# Altium PCB oxo.pcbdoc (part 1 of 3) (continued)
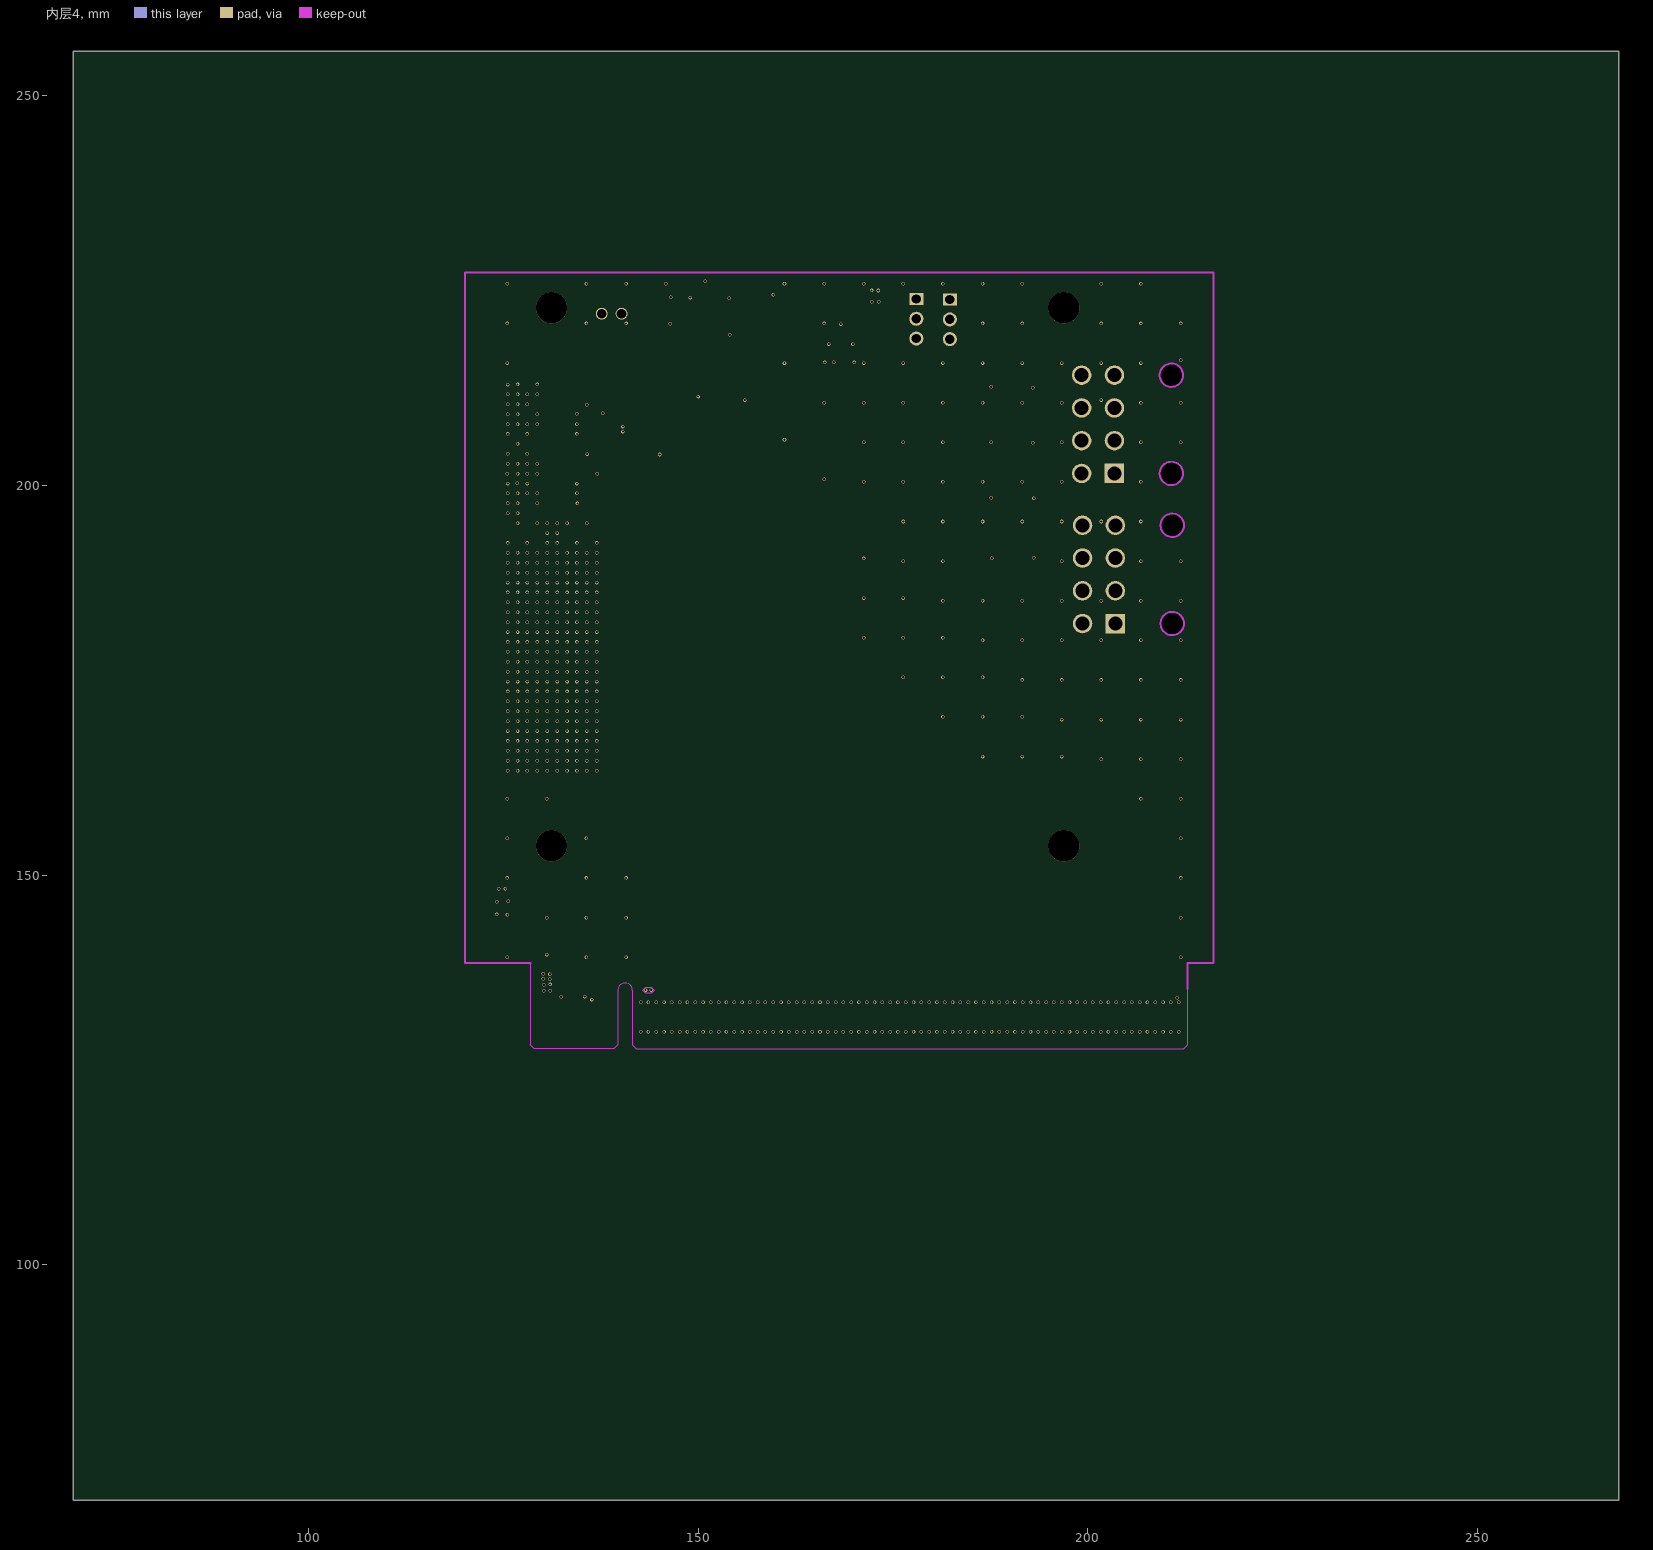
[diagram p5: 内层4]

## Layer stack, top to bottom
Top Layer: signal copper (thickness not stored)
Dielectric: dielectric 0.32, FR-4, Dk 4.8
Inner1: signal copper (thickness not stored)
Dielectric: dielectric 0.32, FR-4, Dk 4.8
Inner2: signal copper (thickness not stored)
Dielectric: dielectric 0.32, FR-4, Dk 4.8
Inner3: signal copper (thickness not stored)
Dielectric: dielectric 0.32, FR-4, Dk 4.8
内层4: signal copper (thickness not stored)
Dielectric: dielectric 0.32, FR-4, Dk 4.8
Bottom Layer: signal copper (thickness not stored)

## Board outline
268.091,69.85 69.85,69.85 69.85,255.674 268.091,255.674

## Design rules (kind name [scope] priority, off if disabled: settings)
BoardOutlineClearance copperThickness1oz [All] p0: genericclearance=0.254 ignorepadtopadclearanceinfootprint=FALSE except(0: Arc-SplitContinuation Track-SplitContinuation SMDPad-SplitContinuation THPad-SplitContinuation Via-SplitContinuation Fill-SplitContinuation Poly-SplitContinuation Region-SplitContinuation Text-SplitContinuation; 0.152: Track-CutoutEdge SMDPad-CutoutEdge THPad-CutoutEdge Via-CutoutEdge Region-CutoutEdge; 0.3: Track-OutlineEdge SMDPad-OutlineEdge THPad-OutlineEdge Via-OutlineEdge Fill-OutlineEdge Region-OutlineEdge Poly-OutlineEdge Text-OutlineEdge Fill-CutoutEdge)
BoardOutlineClearance copperThickness2oz [All] p0: genericclearance=0.254 ignorepadtopadclearanceinfootprint=FALSE except(0: Arc-SplitContinuation Track-SplitContinuation SMDPad-SplitContinuation THPad-SplitContinuation Via-SplitContinuation Fill-SplitContinuation Poly-SplitContinuation Region-SplitContinuation Text-SplitContinuation; 0.152: Track-CutoutEdge SMDPad-CutoutEdge THPad-CutoutEdge Via-CutoutEdge Region-CutoutEdge; 0.3: Track-OutlineEdge SMDPad-OutlineEdge THPad-OutlineEdge Via-OutlineEdge Fill-OutlineEdge Region-OutlineEdge Poly-OutlineEdge Text-OutlineEdge Fill-CutoutEdge)
Clearance copperThickness1oz [(InNet('GND') OR InNet('+12V') OR InNet('CLK+') OR InNet('CLK-') OR InNet('RX0-') OR InNet('RX15+') OR InNet('RX15-') OR InNet('RX11-') OR InNet('RX7-') OR InNet('RX0+') OR InNet('RX7+') OR InNet('RX11+') OR InNet('RX14-') OR InNet('RX14+') OR InNet('RX6-') OR InNet('RX3+') OR InNet('RX3-') OR InNet('RX6+') OR InNet('RX10-') OR InNet('RX4-') OR InNet('RX13+') OR InNet('RX13-') OR InNet('RX1-') OR InNet('RX1+') OR InNet('RX4+') OR InNet('RX10+') OR InNet('RX2+') OR InNet('RX2-') OR InNet('RX9-') OR InNet('RX12+') OR InNet('RX9+') OR InNet('RX12-') OR InNet('RX5-') OR InNet('RX5+') OR InNet('RX8+') OR InNet('RX8-') OR InNet('+3V3') OR InNet('+5V') OR InNet('+1V8') OR InNet('TX8-') OR InNet('TX3+') OR InNet('TX15+') OR InNet('TX7+') OR InNet('TX8+') OR InNet('TX3-') OR InNet('TX7-') OR InNet('TX15-') OR InNet('TX0-') OR InNet('TX11+') OR InNet('TX14-') OR InNet('TX0+') OR InNet('TX6-') OR InNet('TX6+') OR InNet('TX11-') OR InNet('TX14+') OR InNet('TX2-') OR InNet('TX2+') OR InNet('TX5-') OR InNet('TX12+') OR InNet('TX12-') OR InNet('TX9+') OR InNet('TX9-') OR InNet('TX5+') OR InNet('TX1-') OR InNet('TX1+') OR InNet('TX4-') OR InNet('TX10+') OR InNet('TX13-') OR InNet('TX4+') OR InNet('TX10-') OR InNet('TX13+') OR InNet('PCIET0+') OR InNet('PCIET0-') OR InNet('PCIET1+') OR InNet('PCIET1-') OR InNet('PCIET2+') OR InNet('PCIET2-') OR InNet('PCIET3+') OR InNet('PCIET3-') OR InNet('PCIET4+') OR InNet('PCIET4-') OR InNet('PCIET5+') OR InNet('PCIET5-') OR InNet('PCIET6+') OR InNet('PCIET6-') OR InNet('PCIET7+') OR InNet('PCIET7-') OR InNet('PCIET8+') OR InNet('PCIET8-') OR InNet('PCIET9+') OR InNet('PCIET9-') OR InNet('PCIET10+') OR InNet('PCIET10-') OR InNet('PCIET11+') OR InNet('PCIET11-') OR InNet('PCIET12+') OR InNet('PCIET12-') OR InNet('PCIET13+') OR InNet('PCIET13-') OR InNet('PCIET14+') OR InNet('PCIET14-') OR InNet('PCIET15+') OR InNet('PCIET15-') OR InNet('SXM_PRSNT2') OR InNet('PRSNT2#_SXM') OR InNet('I2CADDR0') OR InNet('PERST#') OR InNet('JTAG_TDI') OR InNet('JTAG_TDO') OR InNet('JTAG_TCLK') OR InNet('I2CADDR1') OR InNet('JTAG_SEL') OR InNet('JTAG_TMS') OR InNet('PWR_EN') OR InNet('THERM_OVER#') OR InNet('JTAG_TRST#') OR InNet('PRSNT2') OR InNet('PRSNT1') OR InNet('PWR_GOOD') OR InNet('PWR_BRAKE#') OR InNet('EN'))] p1: gap=0.178 ignorepadtopadclearanceinfootprint=FALSE except(0.102: Track-Track Track-SMDPad Track-THPad Track-Via; 0.152: SMDPad-SMDPad SMDPad-THPad THPad-THPad SMDPad-Via THPad-Via Via-Via SMDPad-Fill THPad-Fill Via-Fill Fill-Fill Track-Region SMDPad-Region THPad-Region Via-Region Region-Region Track-Poly SMDPad-Poly THPad-Poly Via-Poly Fill-Poly Region-Poly Poly-Poly Track-Text SMDPad-Text THPad-Text Via-Text Fill-Text Region-Text Poly-Text Text-Text; 0.175: Track-Hole SMDPad-Hole THPad-Hole Via-Hole Fill-Hole Region-Hole Poly-Hole Text-Hole Sheet-Hole; 0.3: Track-Fill Fill-Region Track-Sheet SMDPad-Sheet THPad-Sheet Via-Sheet Fill-Sheet Region-Sheet Poly-Sheet Text-Sheet)
Clearance copperThickness2oz [All] p1: gap=0.178 ignorepadtopadclearanceinfootprint=FALSE except(0.152: Track-SMDPad SMDPad-SMDPad Track-THPad SMDPad-THPad THPad-THPad Track-Via SMDPad-Via THPad-Via Via-Via SMDPad-Fill THPad-Fill Via-Fill Fill-Fill Track-Region SMDPad-Region THPad-Region Via-Region Region-Region Track-Poly SMDPad-Poly THPad-Poly Via-Poly Fill-Poly Region-Poly Poly-Poly Track-Text SMDPad-Text THPad-Text Via-Text Fill-Text Region-Text Poly-Text Text-Text; 0.175: Track-Hole SMDPad-Hole THPad-Hole Via-Hole Fill-Hole Region-Hole Poly-Hole Text-Hole Sheet-Hole; 0.203: Track-Track; 0.3: Track-Fill Fill-Region Track-Sheet SMDPad-Sheet THPad-Sheet Via-Sheet Fill-Sheet Region-Sheet Poly-Sheet Text-Sheet)
DiffPairsRouting differentialPair [All] p1: maxuncoupledlength=10 minlimit=4 maxlimit=4 mostfreqgap=4 toplayer_minwidth=5 toplayer_prefwidth=5.2 toplayer_maxwidth=100 bottomlayer_minwidth=5 bottomlayer_prefwidth=5.2 bottomlayer_maxwidth=100 midlayer1_minwidth=5 midlayer1_prefwidth=5.2 midlayer1_maxwidth=100 midlayer2_minwidth=5 midlayer2_prefwidth=5.2 midlayer2_maxwidth=100 midlayer3_minwidth=5 midlayer3_prefwidth=5.2 midlayer3_maxwidth=100 midlayer4_minwidth=5 midlayer4_prefwidth=5.2 midlayer4_maxwidth=100
PasteMaskExpansion pasteMaskExpansion [All] p1: expansion=0
PlaneConnect innerPlane [All] p1: planeconnectstyle=Relief reliefexpansion=0.508 reliefentries=4 reliefconductorwidth=0.254 reliefairgap=0.254
PolygonConnect copperRegion [All] p1: connectstyle=Relief reliefentries=4 reliefconductorwidth=10 polygonreliefangle="90 Angle" airgapwidth=10
RoutingVias viaSize [All] p1: viastyle="Through Hole" holewidth=11.8 minholewidth=10 maxholewidth=248 width=17.7 minwidth=10 maxwidth=393.7
SolderMaskExpansion solderMaskExpansion [All] p1: useseparateexpansions=TRUE expansion=2 expansionbottom=2
Width copperThickness1oz [All] p1: maxlimit=100 minlimit=5 preferedwidth=10
Width copperThickness2oz [All] p1: maxlimit=100 minlimit=8 preferedwidth=10

## Components (designator, comment, footprint, x,y, rotation, side; value= is the part's Value field where it differs from the comment)
C1 "CL05B224KO5NNNC" C0402 151.138,137.107 r90 bottom
C2 "CL05B224KO5NNNC" C0402 152.137,137.107 r90 bottom
C3 "CL05B224KO5NNNC" C0402 155.137,137.107 r90 bottom
C4 "CL05B224KO5NNNC" C0402 156.137,137.107 r90 bottom
C5 "CL05B224KO5NNNC" C0402 159.137,137.107 r90 bottom
C6 "CL05B224KO5NNNC" C0402 160.137,137.107 r90 bottom
C7 "CL05B224KO5NNNC" C0402 165.132,137.107 r90 bottom
C8 "CL05B224KO5NNNC" C0402 166.132,137.107 r90 bottom
C9 "CL05B224KO5NNNC" C0402 169.137,137.107 r90 bottom
C10 "CL05B224KO5NNNC" C0402 170.131,137.107 r90 bottom
C11 "CL05B224KO5NNNC" C0402 173.137,137.107 r90 bottom
C12 "CL05B224KO5NNNC" C0402 174.137,137.107 r90 bottom
C13 "CL05B224KO5NNNC" C0402 177.14,137.107 r90 bottom
C14 "CL05B224KO5NNNC" C0402 178.14,137.107 r90 bottom
C15 "CL05B224KO5NNNC" C0402 182.137,137.107 r90 bottom
C16 "CL05B224KO5NNNC" C0402 183.137,137.107 r90 bottom
C17 "CL05B224KO5NNNC" C0402 186.134,137.107 r90 bottom
C18 "CL05B224KO5NNNC" C0402 187.134,137.107 r90 bottom
C19 "CL05B224KO5NNNC" C0402 190.133,137.107 r90 bottom
C20 "CL05B224KO5NNNC" C0402 191.133,137.107 r90 bottom
C21 "CL05B224KO5NNNC" C0402 194.133,137.107 r90 bottom
C22 "CL05B224KO5NNNC" C0402 195.137,137.107 r90 bottom
C23 "CL05B224KO5NNNC" C0402 198.137,137.107 r90 bottom
C24 "CL05B224KO5NNNC" C0402 199.137,137.107 r90 bottom
C25 "CL05B224KO5NNNC" C0402 202.136,137.107 r90 bottom
C26 "CL05B224KO5NNNC" C0402 203.137,137.107 r90 bottom
C27 "CL05B224KO5NNNC" C0402 206.137,137.107 r90 bottom
C28 "CL05B224KO5NNNC" C0402 207.13,137.107 r90 bottom
C29 "CL05B224KO5NNNC" C0402 210.137,137.107 r90 bottom
C30 "CL05B224KO5NNNC" C0402 211.137,137.107 r90 bottom
C61 "CL05B224KO5NNNC" C0402 146.137,137.107 r90 bottom
C62 "CL05B224KO5NNNC" C0402 147.142,137.107 r90 bottom
C75 "GRM188R61E106MA73D" C0603 124.895,146.674 r0 top
C77 "GRM188R61E106MA73D" C0603 124.874,144.949 r0 top
C102 "GRM155R71H104KE14D" C0402 166.802,215.773 r0 bottom
C103 "GRM155R71H104KE14D" C0402 169.482,215.743 r180 bottom
C104 "RVT1C471M0607" CAP-SMD_BD6.3-L6.6-W6.6-LS7.6-RD 190.222,212.606 r180 bottom
C105 "RVT1C471M0607" CAP-SMD_BD6.3-L6.6-W6.6-LS7.6-RD 190.239,205.507 r180 bottom
C106 "RVT1C471M0607" CAP-SMD_BD6.3-L6.6-W6.6-LS7.6-RD 190.228,198.269 r180 bottom
C107 "RVT1C471M0607" CAP-SMD_BD6.3-L6.6-W6.6-LS7.6-RD 190.36,190.627 r180 bottom
F1 "Gold Finger CEMx16" "Gold Finger CEM GEN5x16" 170.994,140.707 r0 top
H2 "2.54-1*3P针" HDR-TH_3P-P2.54-V-M-1 177.994,221.352 r270 bottom
H3 "2.54-1*3P针" HDR-TH_3P-P2.54-V-M-1 182.285,221.273 r270 bottom
R5 "FRC0402F0000TS" R0402 124.846,148.242 r0 top
R11 "0402WGF1000TCE" R0402 172.689,224.985 r0 bottom
R12 "0402WGF1000TCE" R0402 172.73,223.524 r0 bottom
R13 "0402WGF1000TCE" R0402 159.616,224.002 r90 bottom
U1 "84740-102LF" CONN-SMD_400P-P1.27_84740-002LF 131.287,188.157 r90 top
U3 "X9357WR-2x04EH-LPSW" CONN-TH_8P-P4.20_XKB_X9357WR-2X04EH-N2SW 201.298,207.814 r270 bottom
U4 "X9357WR-2x04EH-LPSW" CONN-TH_8P-P4.20_XKB_X9357WR-2X04EH-N2SW 201.407,188.566 r270 bottom
U6 "AMS1117-1.8V" SOT-89-3_L4.5-W2.5-P1.50-LS4.1-BR 168.319,219.372 r270 bottom
U9 "SXM_MH" module_sxm2 164.049,188.257 r0 bottom locked
U107 "ZXDN10S1205SAW-NEWs" ZXDN10S1205SAW-NEWs 151.526,221.61 r180 bottom
U108 "电容" 电容 138.659,222.001 r180 bottom

## Footprints (in the part's own frame and the unit in brackets; to place one, negate y for a bottom-side part, rotate by r counter-clockwise, add the part's x,y. Pads: shape width x height; smd on the part's side, far side on the other; paste and mask are expansions set on the pad)
C0402 [mm]
  rect 0.79x0.54 smd: 1(-0.545,0) 2(0.545,0)
  silkscreen extent -1.17,-0.5 1.17,0.5
C0603 [mm]
  rect 0.8x0.9 smd: 1(-0.7,0) 2(0.7,0)
  silkscreen extent -1.41,-0.71 1.39,0.72
CAP-SMD_BD6.3-L6.6-W6.6-LS7.6-RD [mm]
  rect 3.5x1.2 smd: 1(-2.67,0) 2(2.67,0)
  silkscreen extent -3.38,-3.38 3.38,3.38
CONN-SMD_400P-P1.27_84740-002LF [mm]
  round 0.623 smd: A1(24.765,-5.715) A2(23.495,-5.715) A3(22.225,-5.715) A4(20.955,-5.715) A5(19.685,-5.715) A6(18.415,-5.715) A7(17.145,-5.715) A8(15.875,-5.715) A9(14.605,-5.715) A10(13.335,-5.715) A11(12.065,-5.715) A12(10.795,-5.715) A13(9.525,-5.715) A14(8.255,-5.715) A15(6.985,-5.715) A16(5.715,-5.715) A17(4.445,-5.715) A18(3.175,-5.715) A19(1.905,-5.715) A20(0.635,-5.715) A21(-0.635,-5.715) A22(-1.905,-5.715) A23(-3.175,-5.715) A24(-4.445,-5.715) A25(-5.715,-5.715) A26(-6.985,-5.715) A27(-8.255,-5.715) A28(-9.525,-5.715) A29(-10.795,-5.715) A30(-12.065,-5.715) A31(-13.335,-5.715) A32(-14.605,-5.715) A33(-15.875,-5.715) A34(-17.145,-5.715) A35(-18.415,-5.715) A36(-19.685,-5.715) A37(-20.955,-5.715) A38(-22.225,-5.715) A39(-23.495,-5.715) A40(-24.765,-5.715) B1(24.765,-4.445) B2(23.495,-4.445) B3(22.225,-4.445) B4(20.955,-4.445) B5(19.685,-4.445) B6(18.415,-4.445) B7(17.145,-4.445) B8(15.875,-4.445) B9(14.605,-4.445) B10(13.335,-4.445) B11(12.065,-4.445) B12(10.795,-4.445) B13(9.525,-4.445) B14(8.255,-4.445) B15(6.985,-4.445) B16(5.715,-4.445) B17(4.445,-4.445) B18(3.175,-4.445) B19(1.905,-4.445) B20(0.635,-4.445) B21(-0.635,-4.445) B22(-1.905,-4.445) B23(-3.175,-4.445) B24(-4.445,-4.445) B25(-5.715,-4.445) B26(-6.985,-4.445) B27(-8.255,-4.445) B28(-9.525,-4.445) B29(-10.795,-4.445) B30(-12.065,-4.445) B31(-13.335,-4.445) B32(-14.605,-4.445) B33(-15.875,-4.445) B34(-17.145,-4.445) B35(-18.415,-4.445) B36(-19.685,-4.445) B37(-20.955,-4.445) B38(-22.225,-4.445) B39(-23.495,-4.445) B40(-24.765,-4.445) C1(24.765,-3.175) C2(23.495,-3.175) C3(22.225,-3.175) C4(20.955,-3.175) C5(19.685,-3.175) C6(18.415,-3.175) C7(17.145,-3.175) C8(15.875,-3.175) C9(14.605,-3.175) C10(13.335,-3.175) C11(12.065,-3.175) C12(10.795,-3.175) C13(9.525,-3.175) C14(8.255,-3.175) C15(6.985,-3.175) C16(5.715,-3.175) C17(4.445,-3.175) C18(3.175,-3.175) C19(1.905,-3.175) C20(0.635,-3.175) C21(-0.635,-3.175) C22(-1.905,-3.175) C23(-3.175,-3.175) C24(-4.445,-3.175) C25(-5.715,-3.175) C26(-6.985,-3.175) C27(-8.255,-3.175) C28(-9.525,-3.175) C29(-10.795,-3.175) C30(-12.065,-3.175) C31(-13.335,-3.175) C32(-14.605,-3.175) C33(-15.875,-3.175) C34(-17.145,-3.175) C35(-18.415,-3.175) C36(-19.685,-3.175) C37(-20.955,-3.175) C38(-22.225,-3.175) C39(-23.495,-3.175) C40(-24.765,-3.175) D1(24.765,-1.905) D2(23.495,-1.905) D3(22.225,-1.905) D4(20.955,-1.905) D5(19.685,-1.905) D6(18.415,-1.905) D7(17.145,-1.905) D8(15.875,-1.905) D9(14.605,-1.905) D10(13.335,-1.905) D11(12.065,-1.905) D12(10.795,-1.905) D13(9.525,-1.905) D14(8.255,-1.905) D15(6.985,-1.905) D16(5.715,-1.905) D17(4.445,-1.905) D18(3.175,-1.905) D19(1.905,-1.905) D20(0.635,-1.905) D21(-0.635,-1.905) D22(-1.905,-1.905) D23(-3.175,-1.905) D24(-4.445,-1.905) D25(-5.715,-1.905) D26(-6.985,-1.905) D27(-8.255,-1.905) D28(-9.525,-1.905) D29(-10.795,-1.905) D30(-12.065,-1.905) D31(-13.335,-1.905) D32(-14.605,-1.905) D33(-15.875,-1.905) D34(-17.145,-1.905) D35(-18.415,-1.905) D36(-19.685,-1.905) D37(-20.955,-1.905) D38(-22.225,-1.905) D39(-23.495,-1.905) D40(-24.765,-1.905) E1(24.765,-0.635) E2(23.495,-0.635) E3(22.225,-0.635) E4(20.955,-0.635) E5(19.685,-0.635) E6(18.415,-0.635) E7(17.145,-0.635) E8(15.875,-0.635) E9(14.605,-0.635) E10(13.335,-0.635) E11(12.065,-0.635) E12(10.795,-0.635) E13(9.525,-0.635) E14(8.255,-0.635) E15(6.985,-0.635) E16(5.715,-0.635) E17(4.445,-0.635) E18(3.175,-0.635) E19(1.905,-0.635) E20(0.635,-0.635) E21(-0.635,-0.635) E22(-1.905,-0.635) E23(-3.175,-0.635) E24(-4.445,-0.635) E25(-5.715,-0.635) E26(-6.985,-0.635) E27(-8.255,-0.635) E28(-9.525,-0.635) E29(-10.795,-0.635) E30(-12.065,-0.635) E31(-13.335,-0.635) E32(-14.605,-0.635) E33(-15.875,-0.635) E34(-17.145,-0.635) E35(-18.415,-0.635) E36(-19.685,-0.635) E37(-20.955,-0.635) E38(-22.225,-0.635) E39(-23.495,-0.635) E40(-24.765,-0.635) F1(24.765,0.635) F2(23.495,0.635) F3(22.225,0.635) F4(20.955,0.635) F5(19.685,0.635) F6(18.415,0.635) F7(17.145,0.635) F8(15.875,0.635) F9(14.605,0.635) F10(13.335,0.635) F11(12.065,0.635) F12(10.795,0.635) F13(9.525,0.635) F14(8.255,0.635) F15(6.985,0.635) F16(5.715,0.635) F17(4.445,0.635) F18(3.175,0.635) F19(1.905,0.635) F20(0.635,0.635) F21(-0.635,0.635) F22(-1.905,0.635) F23(-3.175,0.635) F24(-4.445,0.635) F25(-5.715,0.635) F26(-6.985,0.635) F27(-8.255,0.635) F28(-9.525,0.635) F29(-10.795,0.635) F30(-12.065,0.635) F31(-13.335,0.635) F32(-14.605,0.635) F33(-15.875,0.635) F34(-17.145,0.635) F35(-18.415,0.635) F36(-19.685,0.635) F37(-20.955,0.635) F38(-22.225,0.635) F39(-23.495,0.635) F40(-24.765,0.635) G1(24.765,1.905) G2(23.495,1.905) G3(22.225,1.905) G4(20.955,1.905) G5(19.685,1.905) G6(18.415,1.905) G7(17.145,1.905) G8(15.875,1.905) G9(14.605,1.905) G10(13.335,1.905) G11(12.065,1.905) G12(10.795,1.905) G13(9.525,1.905) G14(8.255,1.905) G15(6.985,1.905) G16(5.715,1.905) G17(4.445,1.905) G18(3.175,1.905) G19(1.905,1.905) G20(0.635,1.905) G21(-0.635,1.905) G22(-1.905,1.905) G23(-3.175,1.905) G24(-4.445,1.905) G25(-5.715,1.905) G26(-6.985,1.905) G27(-8.255,1.905) G28(-9.525,1.905) G29(-10.795,1.905) G30(-12.065,1.905) G31(-13.335,1.905) G32(-14.605,1.905) G33(-15.875,1.905) G34(-17.145,1.905) G35(-18.415,1.905) G36(-19.685,1.905) G37(-20.955,1.905) G38(-22.225,1.905) G39(-23.495,1.905) G40(-24.765,1.905) H1(24.765,3.175) H2(23.495,3.175) H3(22.225,3.175) H4(20.955,3.175) H5(19.685,3.175) H6(18.415,3.175) H7(17.145,3.175) H8(15.875,3.175) H9(14.605,3.175) H10(13.335,3.175) H11(12.065,3.175) H12(10.795,3.175) H13(9.525,3.175) H14(8.255,3.175) H15(6.985,3.175) H16(5.715,3.175) H17(4.445,3.175) H18(3.175,3.175) H19(1.905,3.175) H20(0.635,3.175) H21(-0.635,3.175) H22(-1.905,3.175) H23(-3.175,3.175) H24(-4.445,3.175) H25(-5.715,3.175) H26(-6.985,3.175) H27(-8.255,3.175) H28(-9.525,3.175) H29(-10.795,3.175) H30(-12.065,3.175) H31(-13.335,3.175) H32(-14.605,3.175) H33(-15.875,3.175) H34(-17.145,3.175) H35(-18.415,3.175) H36(-19.685,3.175) H37(-20.955,3.175) H38(-22.225,3.175) H39(-23.495,3.175) H40(-24.765,3.175) J1(24.765,4.445) J2(23.495,4.445) J3(22.225,4.445) J4(20.955,4.445) J5(19.685,4.445) J6(18.415,4.445) J7(17.145,4.445) J8(15.875,4.445) J9(14.605,4.445) J10(13.335,4.445) J11(12.065,4.445) J12(10.795,4.445) J13(9.525,4.445) J14(8.255,4.445) J15(6.985,4.445) J16(5.715,4.445) J17(4.445,4.445) J18(3.175,4.445) J19(1.905,4.445) J20(0.635,4.445) J21(-0.635,4.445) J22(-1.905,4.445) J23(-3.175,4.445) J24(-4.445,4.445) J25(-5.715,4.445) J26(-6.985,4.445) J27(-8.255,4.445) J28(-9.525,4.445) J29(-10.795,4.445) J30(-12.065,4.445) J31(-13.335,4.445) J32(-14.605,4.445) J33(-15.875,4.445) J34(-17.145,4.445) J35(-18.415,4.445) J36(-19.685,4.445) J37(-20.955,4.445) J38(-22.225,4.445) J39(-23.495,4.445) J40(-24.765,4.445) K1(24.765,5.715) K2(23.495,5.715) K3(22.225,5.715) K4(20.955,5.715) K5(19.685,5.715) K6(18.415,5.715) K7(17.145,5.715) K8(15.875,5.715) K9(14.605,5.715) K10(13.335,5.715) K11(12.065,5.715) K12(10.795,5.715) K13(9.525,5.715) K14(8.255,5.715) K15(6.985,5.715) K16(5.715,5.715) K17(4.445,5.715) K18(3.175,5.715) K19(1.905,5.715) K20(0.635,5.715) K21(-0.635,5.715) K22(-1.905,5.715) K23(-3.175,5.715) K24(-4.445,5.715) K25(-5.715,5.715) K26(-6.985,5.715) K27(-8.255,5.715) K28(-9.525,5.715) K29(-10.795,5.715) K30(-12.065,5.715) K31(-13.335,5.715) K32(-14.605,5.715) K33(-15.875,5.715) K34(-17.145,5.715) K35(-18.415,5.715) K36(-19.685,5.715) K37(-20.955,5.715) K38(-22.225,5.715) K39(-23.495,5.715) K40(-24.765,5.715)
  silkscreen extent -28.45,-8.64 28.45,8.64
CONN-TH_8P-P4.20_XKB_X9357WR-2X04EH-N2SW [mm]
  rect 2.5x2.5 hole 1.8: 1(6.3,-2.1)
  round 2.5 hole 1.8: 2(2.1,-2.1) 3(-2.1,-2.1) 4(-6.3,-2.1) 5(6.3,2.1) 6(2.1,2.1) 7(-2.1,2.1) 8(-6.3,2.1)
  Board Outline Layer circle w0.005: c6.3,-9.4 r1.5
  Board Outline Layer circle w0.005: c-6.3,-9.4 r1.5
  Board Outline Layer circle w0.254: c6.3,-9.4 r1.5
  Board Outline Layer circle w0.254: c-6.3,-9.4 r1.5
  Multi-Layer board cut-out: 6.3,-10.9 5.649,-10.751 5.127,-10.335 4.838,-9.734 4.838,-9.066 5.127,-8.465 5.649,-8.048 6.3,-7.9 6.3,-7.9 6.951,-8.048 7.473,-8.465 7.762,-9.066 7.762,-9.734 7.473,-10.335 6.951,-10.751 6.3,-10.9
  Multi-Layer board cut-out: -6.3,-10.9 -6.951,-10.751 -7.473,-10.335 -7.762,-9.734 -7.762,-9.066 -7.473,-8.465 -6.951,-8.048 -6.3,-7.9 -6.3,-7.9 -5.649,-8.048 -5.127,-8.465 -4.838,-9.066 -4.838,-9.734 -5.127,-10.335 -5.649,-10.751 -6.3,-10.9
  silkscreen extent -9,-16 9,0.76
"Gold Finger CEM GEN5x16" [mm]
  rect 0.7x3.2 smd far side: A1(-41.858,-8.949)
  rect 0.7x3.91 smd far side: A2(-40.858,-9.304) A3(-39.858,-9.304) A4(-38.858,-9.304) A5(-37.858,-9.304) A6(-36.858,-9.304) A7(-35.858,-9.304) A8(-34.858,-9.304) A9(-33.858,-9.304) A10(-32.858,-9.304) A11(-31.858,-9.304)
  rect 0.6x3.2 smd far side: A12(-28.858,-8.949) A15(-25.858,-8.949) A18(-22.858,-8.949) A20(-20.858,-8.949) A23(-17.858,-8.949) A24(-16.858,-8.949) A27(-13.858,-8.949) A28(-12.858,-8.949) A31(-9.858,-8.949) A34(-6.858,-8.949) A37(-3.858,-8.949) A38(-2.858,-8.949) A41(0.142,-8.949) A42(1.142,-8.949) A45(4.142,-8.949) A46(5.142,-8.949) A49(8.142,-8.949) A51(10.142,-8.949) A54(13.142,-8.949) A55(14.142,-8.949) A58(17.142,-8.949) A59(18.142,-8.949) A62(21.142,-8.949) A63(22.142,-8.949) A66(25.142,-8.949) A67(26.142,-8.949) A70(29.142,-8.949) A71(30.142,-8.949) A74(33.142,-8.949) A75(34.142,-8.949) A78(37.142,-8.949) A79(38.142,-8.949) A82(41.142,-8.949)
  rect 0.6x3 smd far side: A13(-27.858,-8.849) A14(-26.858,-8.849) A16(-24.858,-8.849) A17(-23.858,-8.849) A19(-21.858,-8.849) A21(-19.858,-8.849) A22(-18.858,-8.849) A25(-15.858,-8.849) A26(-14.858,-8.849) A29(-11.858,-8.849) A30(-10.858,-8.849) A32(-8.858,-8.849) A33(-7.858,-8.849) A35(-5.858,-8.849) A36(-4.858,-8.849) A39(-1.858,-8.849) A40(-0.858,-8.849) A43(2.142,-8.849) A44(3.142,-8.849) A47(6.142,-8.849) A48(7.142,-8.849) A50(9.142,-8.849) A52(11.142,-8.849) A53(12.142,-8.849) A56(15.142,-8.849) A57(16.142,-8.849) A60(19.142,-8.849) A61(20.142,-8.849) A64(23.142,-8.849) A65(24.142,-8.849) A68(27.142,-8.849) A69(28.142,-8.849) A72(31.142,-8.849) A73(32.142,-8.849) A76(35.142,-8.849) A77(36.142,-8.849) A80(39.142,-8.849) A81(40.142,-8.849)
  rect 0.7x3.91 smd: B1(-41.858,-9.304) B2(-40.858,-9.304) B3(-39.858,-9.304) B4(-38.858,-9.304) B5(-37.858,-9.304) B6(-36.858,-9.304) B7(-35.858,-9.304) B8(-34.858,-9.304) B9(-33.858,-9.304) B10(-32.858,-9.304) B11(-31.858,-9.304)
  rect 0.6x3 smd: B12(-28.858,-8.849) B14(-26.858,-8.849) B15(-25.858,-8.849) B17(-23.858,-8.849) B19(-21.858,-8.849) B20(-20.858,-8.849) B23(-17.858,-8.849) B24(-16.858,-8.849) B27(-13.858,-8.849) B28(-12.858,-8.849) B30(-10.858,-8.849) B31(-9.858,-8.849) B33(-7.858,-8.849) B34(-6.858,-8.849) B37(-3.858,-8.849) B38(-2.858,-8.849) B41(0.142,-8.849) B42(1.142,-8.849) B45(4.142,-8.849) B46(5.142,-8.849) B48(7.142,-8.849) B50(9.142,-8.849) B51(10.142,-8.849) B54(13.142,-8.849) B55(14.142,-8.849) B58(17.142,-8.849) B59(18.142,-8.849) B62(21.142,-8.849) B63(22.142,-8.849) B66(25.142,-8.849) B67(26.142,-8.849) B70(29.142,-8.849) B71(30.142,-8.849) B74(33.142,-8.849) B75(34.142,-8.849) B78(37.142,-8.849) B79(38.142,-8.849) B81(40.142,-8.849) B82(41.142,-8.849)
  rect 0.6x3.2 smd: B13(-27.858,-8.949) B16(-24.858,-8.949) B18(-22.858,-8.949) B21(-19.858,-8.949) B22(-18.858,-8.949) B25(-15.858,-8.949) B26(-14.858,-8.949) B29(-11.858,-8.949) B32(-8.858,-8.949) B35(-5.858,-8.949) B36(-4.858,-8.949) B39(-1.858,-8.949) B40(-0.858,-8.949) B43(2.142,-8.949) B44(3.142,-8.949) B47(6.142,-8.949) B49(8.142,-8.949) B52(11.142,-8.949) B53(12.142,-8.949) B56(15.142,-8.949) B57(16.142,-8.949) B60(19.142,-8.949) B61(20.142,-8.949) B64(23.142,-8.949) B65(24.142,-8.949) B68(27.142,-8.949) B69(28.142,-8.949) B72(31.142,-8.949) B73(32.142,-8.949) B76(35.142,-8.949) B77(36.142,-8.949) B80(39.142,-8.949)
  Board Outline Layer lines w0.152: -42.508,-12.449 -42.008,-12.949 ; -42.508,-12.449 -42.008,-12.949 ; -42.508,-12.449 -42.508,-2.024 -42.508,-12.449 ; -42.008,-12.949 -31.808,-12.949 ; -42.008,-12.949 -31.808,-12.949 ; -31.808,-12.949 -31.308,-12.449 ; -31.808,-12.949 -31.308,-12.449 ; -31.308,-12.449 -31.308,-5.499 ; -31.308,-12.449 -31.308,-5.499 ; -31.308,-5.499 cw(c-30.358,-5.499) -29.408,-5.499 ; -31.308,-5.499 cw(c-30.358,-5.499) -29.408,-5.499 ; -29.408,-12.449 -29.408,-5.499 ; -29.408,-12.449 -28.908,-12.949 ; -29.408,-12.449 -29.408,-5.499 ; -29.408,-12.449 -28.908,-12.949 ; -28.908,-12.949 41.292,-12.949 ; -28.908,-12.949 41.292,-12.949 ; 41.292,-12.949 41.792,-12.449 ; 41.292,-12.949 41.792,-12.449 ; 41.792,-12.449 41.792,-5.344 41.792,-12.449
HDR-TH_3P-P2.54-V-M-1 [mm]
  rect 1.575x1.8 hole 1.2: 1(-2.54,0)
  round 1.8 hole 1.2: 2(0,0) 3(2.54,0)
  silkscreen extent -3.81,-1.27 3.81,1.27
module_sxm2 [mil]
  round 158 hole 158 unplated: MH2(1293.3,1358.27) MH3(-1293.31,1358.27) MH6(1293.3,-1358.26) MH7(-1293.31,-1358.26)
  Top Layer region: -1135.83,1358.27 -1157.09,1279.75 -1214.71,1222.31 -1293.31,1201.3 -1371.9,1222.31 -1429.52,1279.75 -1450.78,1358.28 -1450.78,1358.28 -1429.52,1436.8 -1371.9,1494.24 -1293.3,1515.25 -1214.71,1494.24 -1157.09,1436.8 -1135.82,1358.27
  Top Layer region: -1135.83,-1358.26 -1157.09,-1436.79 -1214.71,-1494.23 -1293.3,-1515.24 -1371.9,-1494.23 -1429.52,-1436.79 -1450.78,-1358.26 -1450.78,-1358.26 -1429.52,-1279.74 -1371.9,-1222.3 -1293.3,-1201.29 -1214.71,-1222.3 -1157.09,-1279.74 -1135.83,-1358.26
  Top Layer region: 1450.78,-1358.26 1429.45,-1436.7 1371.84,-1494.05 1293.31,-1515.03 1214.78,-1494.05 1157.17,-1436.7 1135.84,-1358.26 1135.84,-1358.26 1157.17,-1279.83 1214.78,-1222.48 1293.31,-1201.5 1371.84,-1222.48 1429.45,-1279.83 1450.78,-1358.26
  Top Layer region: 1450.78,1358.27 1429.45,1279.84 1371.84,1222.49 1293.31,1201.51 1214.78,1222.49 1157.17,1279.84 1135.84,1358.28 1135.84,1358.28 1157.17,1436.71 1214.78,1494.06 1293.31,1515.04 1371.85,1494.06 1429.45,1436.71 1450.79,1358.27
  silkscreen extent -2756,-1535 2756,1535
R0402 [mm]
  rect 0.566x0.54 smd: 1(-0.433,0) 2(0.433,0)
  silkscreen extent -0.94,-0.5 0.94,0.5
SOT-89-3_L4.5-W2.5-P1.50-LS4.1-BR [mm]
  oval 1.9x0.7 smd: 1(1.25,-1.501) 3(1.25,1.501)
  oval 3.5x2 smd: 2(-1.25,0)
  oval 2.1x0.7 smd: 2(1.151,0)
  silkscreen extent -1.85,-2.61 1.68,2.3
ZXDN10S1205SAW-NEWs [mm]
  rect 1x4 smd: 1(-5.08,-1.15) 2(-2.54,-1.15) 3(0,-1.15) 4(2.54,-1.15) 5(5.08,-1.15) 6(7.62,-1.15)
  rect 1.8x1.8 smd: 1(-5.08,2.54) 2(-2.54,2.54) 3(0,2.54) 4(2.54,2.54) 5(5.08,2.54) 6(7.62,2.54)
  silkscreen extent -7.04,-4.42 9.46,5.08
电容 [mil]
  round 60 hole 49.21: 1(-60,0) 2(40,0)
  silkscreen extent -120,-120 120,120

## Via types
v1: diameter 0.45, hole 0.3, Top Layer to Bottom Layer, 616 vias

## Nets (pads, with @x,y where several pads share a name; then routed paths per layer and width w, separated by ;. In a path a pad name is that pad's centre, name@x,y a point inside that pad or via, vN(x,y) a via of type N, cw(c..) or ccw(c..) an arc to the next point about the centre after c; other vN are vias at no path point)
+1V8: C103.2 H2.1 H3.1 U6.2 | length 13.5
  Inner3 w0.508: v1@168.387,220.713 172.421,220.713 ccw(c172.421,222.317) 173.555,221.183 175.709,223.337 cw(c176.938,222.108) 176.938,223.846 H2.1@178.058,223.846
  Bottom Layer w0.132: U6.2@168.319,218.222 168.319,217.234 ccw(c170.428,217.234) C103.2@168.937,215.743
  other v1: 168.309,220.674
+3V3: F1.A9 F1.A10 F1.B8 | length 3.2
  Top Layer w0.508: F1.B8@136.037,133.171 136.037,133.186 cw(c137.252,133.186) v1@136.393,134.045
  Bottom Layer w0.508: v1@136.432,134.091 136.921,133.602 cw(c136.459,133.14) F1.A9@137.112,133.14 ; F1.A9@137.143,133.186 138.131,133.186 cw(c138.131,133.107) F1.A10@138.187,133.163
  other v1: 136.385,134.037
+5V: C102.2 U1.F20 U1.G20 U1.H20 U1.J20 U1.K20 U6.3 U107.5 U108.1 | length 31.5
  Inner2 w0.254: v1@129.374,188.799 v1@129.374,188.808
  Inner3 w0.254: v1@146.498,220.864 149.145,220.864 ccw(c149.145,221.729) 149.757,221.117 ccw(c149.233,221.642) 149.974,221.642 149.974,223.541 cw(c152.514,223.541) 150.718,225.337 150.771,225.39 cw(c152.519,223.641) 152.519,226.114 155.406,226.114 cw(c155.406,224.803) 156.333,225.73 156.637,225.426 cw(c155.151,223.94) 157.253,223.94 157.253,222.242 ccw(c159.793,222.242) 157.997,220.446 159.514,218.928 ccw(c161.31,220.724) 161.31,218.184 v1@166.703,218.184
  Bottom Layer w0.132: U6.3@166.818,218.122 166.818,217.049 ccw(c168.623,217.049) C102.2@167.347,215.773
  other v1: 125.572,188.792 126.842,188.792 128.112,188.792 129.382,188.792 130.652,188.792 167.398,215.781 166.776,218.112 146.444,220.712 146.473,224.122
+12V: C75.1 C77.1 C104.1 C105.1 C106.1 C107.1 F1.A2 F1.A3 F1.B1 F1.B2 F1.B3 U1.A22 U1.A23 U1.A25 U1.A26 U1.A28 U1.A29 U1.A31 U1.A32 U1.A34 U1.A35 U1.A37 U1.A38 U1.A40 U1.B22 U1.B23 U1.B25 U1.B26 U1.B28 U1.B29 U1.B31 U1.B32 U1.B34 U1.B35 U1.B37 U1.B38 U1.B40 U1.C22 U1.C23 U1.C25 U1.C26 U1.C28 U1.C29 U1.C31 U1.C32 U1.C34 U1.C35 U1.C37 U1.C38 U1.C40 U1.D22 U1.D23 U1.D25 U1.D26 U1.D28 U1.D29 U1.D31 U1.D32 U1.D34 U1.D35 U1.D37 U1.D38 U1.D40 U1.E22 U1.E23 U1.E25 U1.E26 U1.E28 U1.E29 U1.E31 U1.E32 U1.E34 U1.E35 U1.E37 U1.E38 U1.E40 U1.F22 U1.F23 U1.F25 U1.F26 U1.F28 U1.F29 U1.F31 U1.F32 U1.F34 U1.F35 U1.F37 U1.F38 U1.F40 U1.G22 U1.G23 U1.G25 U1.G26 U1.G28 U1.G29 U1.G31 U1.G32 U1.G34 U1.G35 U1.G37 U1.G38 U1.G40 U1.H22 U1.H23 U1.H25 U1.H26 U1.H28 U1.H29 U1.H31 U1.H32 U1.H34 U1.H35 U1.H37 U1.H38 U1.H40 U1.J22 U1.J23 U1.J25 U1.J26 U1.J28 U1.J29 U1.J31 U1.J32 U1.J34 U1.J35 U1.J37 U1.J38 U1.J40 U1.K22 U1.K23 U1.K25 U1.K26 U1.K28 U1.K29 U1.K31 U1.K32 U1.K34 U1.K35 U1.K37 U1.K38 U1.K40 U3.1 U3.2 U3.3 U4.1 U4.2 U4.3 U107.2 | length 0
  Top Layer w0.508: F1.B1@129.217,133.183 F1.B1@129.236,133.164
  other v1: 130.19,135.179 131.042,135.172 130.185,135.927 131.016,135.97 130.992,136.649 130.147,136.725 131.007,137.294 130.161,137.337 124.161,144.957 124.178,146.572 125.572,163.392 126.842,163.392 128.112,163.392 129.382,163.392 130.652,163.392 131.922,163.392 133.192,163.392 134.462,163.392 135.732,163.392 137.002,163.392 125.572,165.932 126.842,165.932 128.112,165.932 129.382,165.932 130.652,165.932 131.922,165.932 133.192,165.932 134.462,165.932 135.732,165.932 137.002,165.932 125.572,167.202 126.842,167.202 128.112,167.202 129.382,167.202 130.652,167.202 131.922,167.202 133.192,167.202 134.462,167.202 135.732,167.202 137.002,167.202 125.572,169.742 126.842,169.742 128.112,169.742 129.382,169.742 130.652,169.742 131.922,169.742 133.192,169.742 134.462,169.742 135.732,169.742 137.002,169.742 125.572,171.012 126.842,171.012 128.112,171.012 129.382,171.012 130.652,171.012 131.922,171.012 133.192,171.012 134.462,171.012 135.732,171.012 137.002,171.012 125.572,173.552 126.842,173.552 128.112,173.552 129.382,173.552 130.652,173.552 131.922,173.552 133.192,173.552 134.462,173.552 135.732,173.552 137.002,173.552 125.572,174.822 126.842,174.822 128.112,174.822 129.382,174.822 130.652,174.822 131.922,174.822 133.192,174.822 134.462,174.822 135.732,174.822 137.002,174.822 125.572,177.362 126.842,177.362 128.112,177.362 129.382,177.362 130.652,177.362 131.922,177.362 133.192,177.362 134.462,177.362 135.732,177.362 137.002,177.362 125.572,178.632 126.842,178.632 128.112,178.632 129.382,178.632 130.652,178.632 131.922,178.632 133.192,178.632 134.462,178.632 135.732,178.632 137.002,178.632 125.572,181.172 126.842,181.172 128.112,181.172 129.382,181.172 130.652,181.172 131.922,181.172 133.192,181.172 134.462,181.172 135.732,181.172 137.002,181.172 125.572,182.442 126.842,182.442 128.112,182.442 129.382,182.442 130.652,182.442 131.922,182.442 133.192,182.442 134.462,182.442 135.732,182.442 137.002,182.442 125.572,184.982 126.842,184.982 128.112,184.982 129.382,184.982 130.652,184.982 131.922,184.982 133.192,184.982 134.462,184.982 135.732,184.982 137.002,184.982 125.572,186.252 126.842,186.252 128.112,186.252 129.382,186.252 130.652,186.252 131.922,186.252 133.192,186.252 134.462,186.252 135.732,186.252 137.002,186.252 193.043,190.689 193.072,198.338 192.926,205.43 192.926,212.522 154.056,219.314 154.006,224.002
CLK+: F1.A13 U1.F7 | length 79
  Top Layer w0.132: U1.F7@130.652,205.302 131.01,205.302 cw(c131.01,205.143) 131.123,205.256 cw(c131.01,205.143) 131.17,205.143 131.17,162.875 ccw(c133.71,162.875) 131.914,161.079 142.843,150.149 cw(c141.213,148.518) 143.519,148.518 143.519,135.882 cw(c142.629,135.882) v1(143.258,135.253)
  Bottom Layer w0.131: F1.A13@143.136,131.878 143.136,133.715 cw(c143.452,133.715) 143.228,133.938 143.375,134.085 ccw(c143.028,134.433) 143.519,134.433 143.519,134.452 ccw(c143.074,134.452) 143.389,134.767 cw(c143.704,135.082) 143.258,135.082 v1(143.258,135.253)
CLK-: F1.A14 U1.E7 | length 79
  Top Layer w0.132: U1.E7@131.922,205.302 131.563,205.302 ccw(c131.563,205.143) 131.45,205.256 ccw(c131.563,205.143) 131.403,205.143 131.403,162.875 ccw(c133.71,162.875) 132.079,161.244 143.009,150.314 cw(c141.213,148.518) 143.753,148.518 143.753,135.882 ccw(c144.642,135.882) v1(144.013,135.253)
  Bottom Layer w0.131: v1(144.013,135.253) 144.013,135.082 cw(c143.568,135.082) 143.883,134.767 ccw(c144.198,134.452) 143.752,134.452 143.752,134.433 ccw(c144.244,134.433) 143.896,134.085 144.043,133.938 cw(c143.82,133.715) 144.136,133.715 F1.A14@144.136,131.878
EN: R13.1 U107.1 | length 5.2
  Bottom Layer w0.254: U107.1@156.753,222.025 156.753,224.084 cw(c156.886,224.084) 156.792,224.179 158.043,224.179 cw(c158.043,221.906) R13.1@159.65,223.513